# Allegro board BeagleBone_AI-64_Rev_B1_PCB_220602.brd (continued)
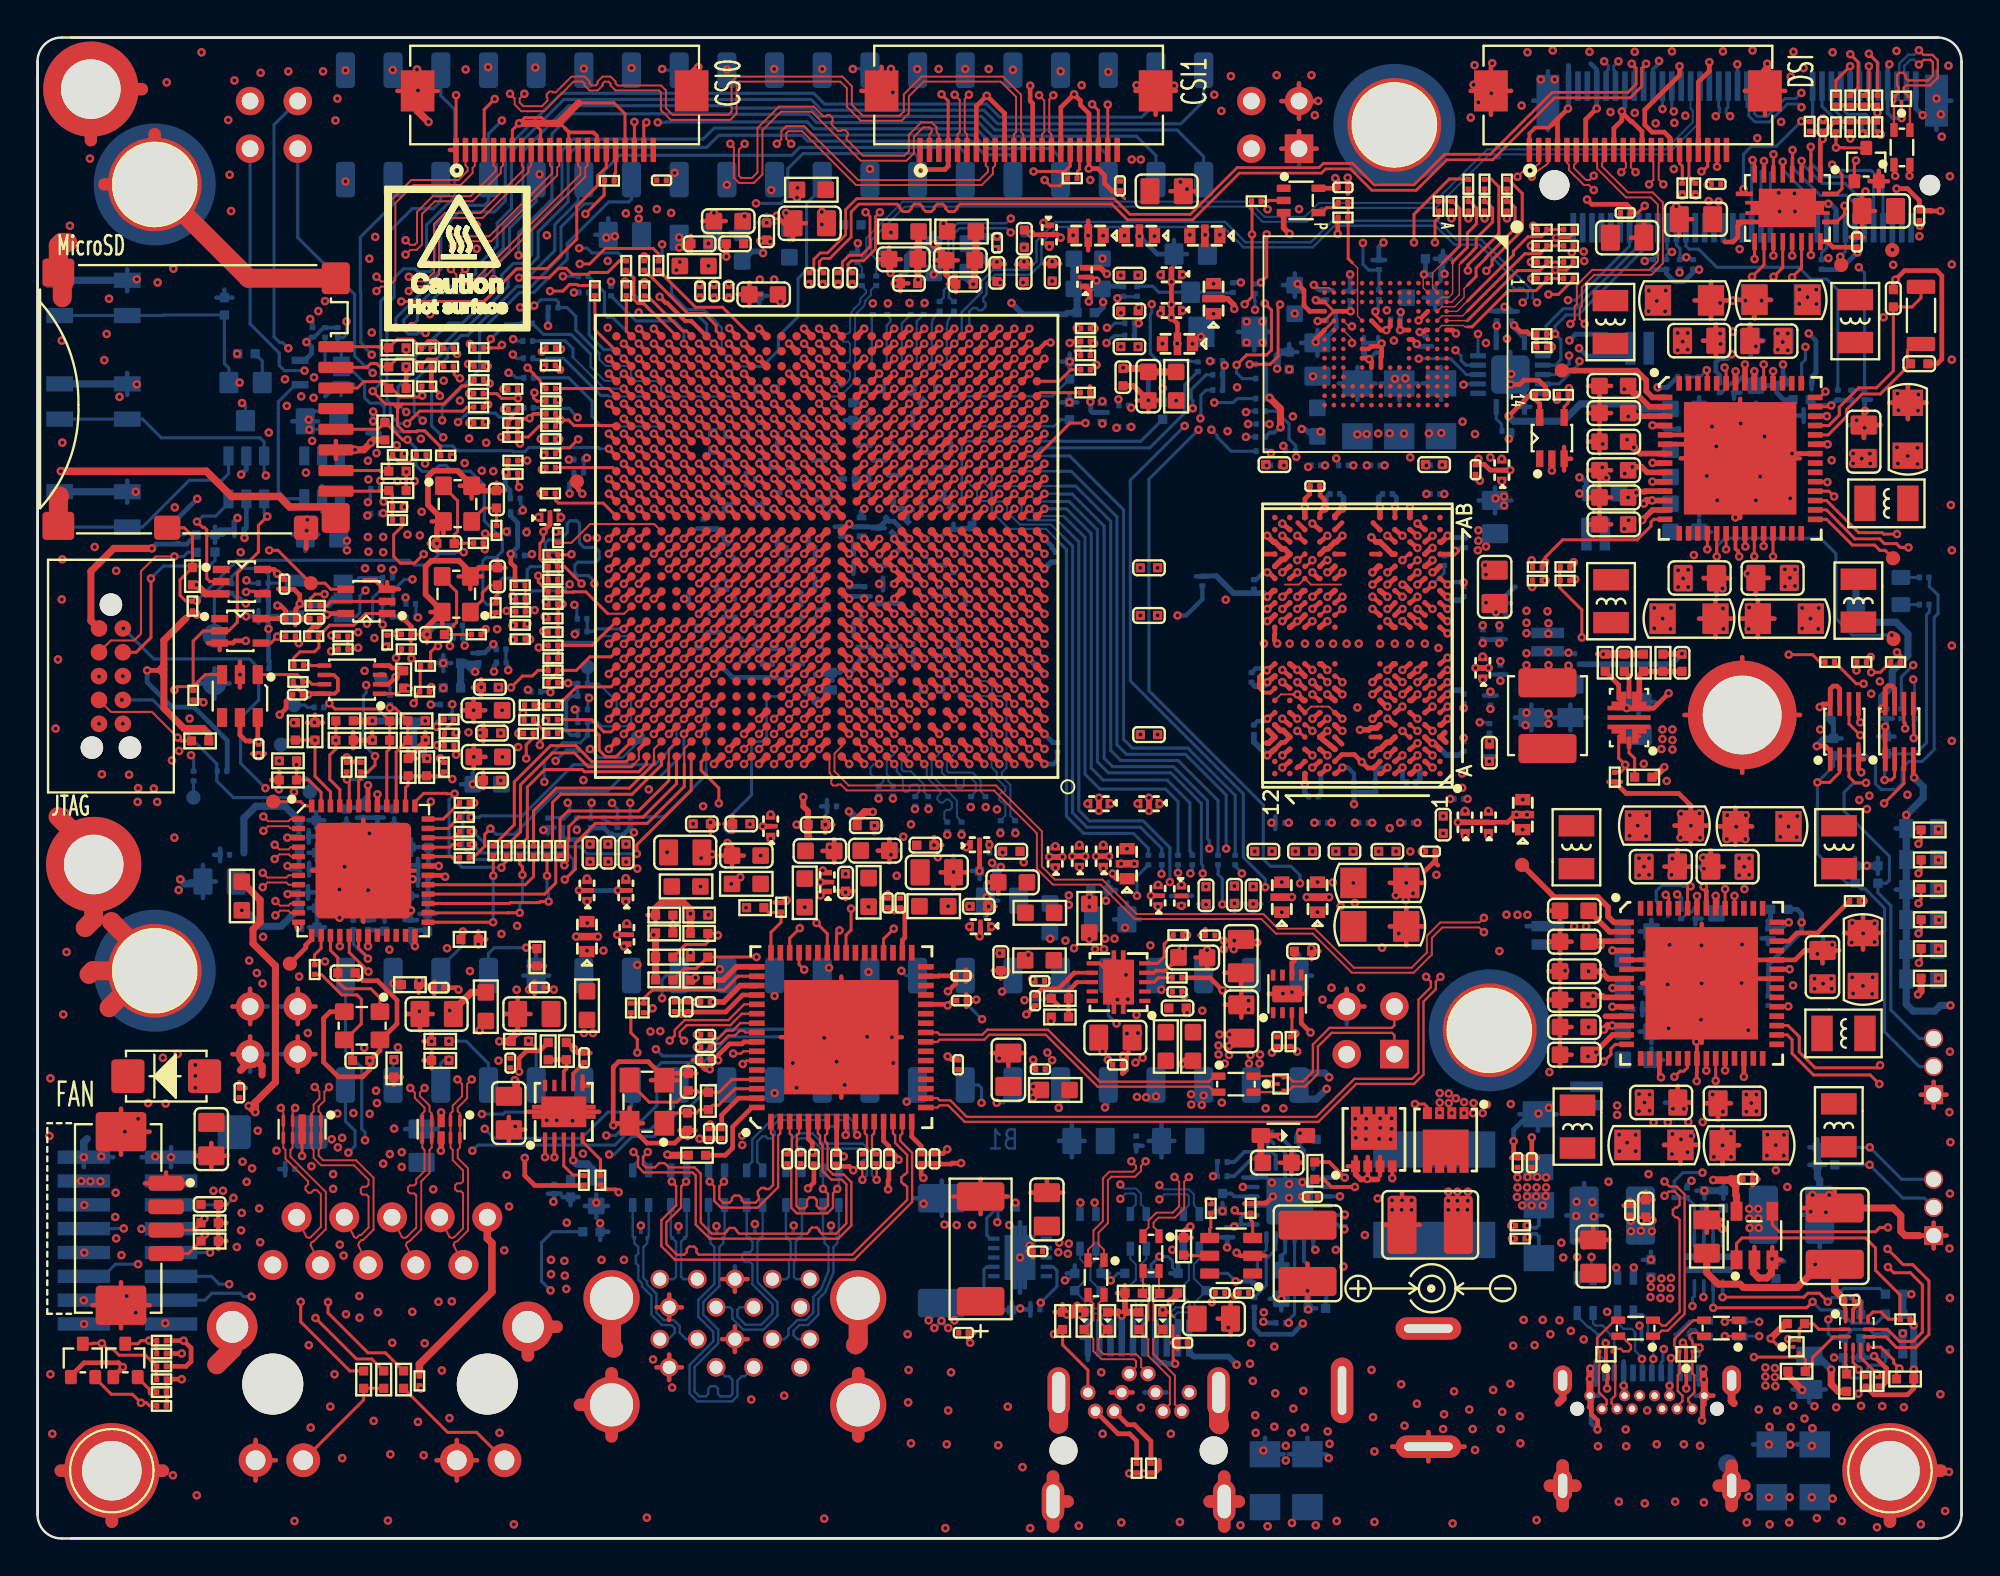
[diagram p0: board, top side]
## Routing (per net, layer and track width the routed paths; a pad name or vN(x,y) marks a point on that pad's centre or on a via; arc(x,y) is an arc through that point) (continued)
  L8-PWR/GND w0.127: v1(56.08,72.41) 56.67,71.82 60.55,71.82 61.06,71.31 64.03,71.31 64.82,72.1 70.94,72.1 71.68,71.37 74.05,71.37 v1(79.06,76.38)
  BOTTOM w0.165: v1(95.4,68.24) 95.35,68.19 95.04,68.19 ; 95.04,68.19 95.04,68.53 95.31,68.79 95.31,69.74 J4.20 ; 95.04,68.19 R5.2
AE22_PWR_ST: length 152.7
  TOP w0.229: v1(36.03,61.28) 36.43,60.88 U19.AE22
  L3-SIGNAL w0.102: v1(36.03,61.28) 35.61,61.71 29.82,61.71 29.28,61.18 27.51,61.18 26.73,60.4 25.17,60.4 24.67,60.9 23.63,60.9 23.15,61.39 22.84,61.39 22.75,61.29 19.16,61.29 18.34,60.47 15.06,60.47 15.02,60.51 14.99,60.51 v1(14.7,60.8)
  L5-SIGNAL w0.102: v1(88.69,19.5) 87.96,19.5 87.6,19.14 87.6,17.87 87.3,17.57 84.55,17.57 83.44,16.45 80.67,16.45 80.31,16.09 80.31,15.55 79.91,15.16 79.37,15.16 78.81,14.6 71.27,14.6 70.08,15.79 65.71,15.79 64.51,14.6 60.39,14.6 60.27,14.72 59.98,14.72 59.92,14.66 59.61,14.66 59.55,14.72 52.61,14.72 52.49,14.61 52.19,14.61 52.07,14.72 51.85,14.72 50.3,16.27 25.32,16.27 24.86,15.82 17.04,15.82 v1(16.3,15.08)
  L10-SIGNAL w0.102: v1(16.3,15.08) 17.35,16.12 17.35,17.87 17,18.22 17,21.87 16.43,22.44 16.43,24.18 15.25,25.37 15.25,29.52 14.45,30.32 14.45,35.69 12.94,37.2 12.94,37.62 13.27,37.95 13.27,45.7 14.58,47.01 14.58,51.14 13.87,51.85 13.87,59.88 14.43,60.44 14.43,60.52 v1(14.7,60.8)
  BOTTOM w0.165: R26.2 87.19,19.04 87.65,19.5 v1(88.69,19.5)
AE23_M.2_SDIO_WAKE#: length 57.5
  TOP w0.229: U19.AE23 35.63,60.88 v1(35.23,61.28)
  L8-PWR/GND w0.127: v1(75.96,61.5) 75.08,62.38 75.08,65.42 72.79,67.71 72.79,69.03 70.53,71.29 65.97,71.29 v1(65.53,70.84)
  L10-SIGNAL w0.102: v1(65.53,70.84) 65.14,70.84 65.12,70.83 64.64,70.83 64.39,71.09 61.54,71.09 60.13,72.5 57.77,72.5 56.59,73.68 48.46,73.68 44.85,70.07 44.85,69.13 43.64,67.91 40.72,67.91 39.98,67.17 39.98,65.4 39.43,64.85 38.08,64.85 37.27,64.04 37.27,63.61 36.98,63.32 36.76,63.32 36.4,62.96 36.4,62.74 36.18,62.52 35.96,62.52 35.6,62.16 35.6,61.65 v1(35.23,61.28)
  BOTTOM w0.165: v1(75.96,61.5) 76.16,61.5 76.2,61.54 U2.10
AE24_MCAN6_RX: length 64.7
  TOP w0.229: v1(34.43,61.28) 34.83,60.88 U19.AE24
  L10-SIGNAL w0.102: v1(33.04,75.48) 28.75,71.19 22.15,71.19 20.34,69.38 20.34,67.61 20.91,67.03 v1(20.91,65.26)
  L12-SIGNAL w0.102: v1(20.91,65.26) 20.91,65.29 20.96,65.34 20.96,65.35 21.16,65.55 23.36,65.55 23.82,66.01 25.95,66.01 26.06,66.12 28.13,66.12 28.34,65.9 30.33,65.9 30.91,66.49 32.26,66.49 32.93,65.81 33.09,65.81 34.8,64.11 34.8,61.65 v1(34.43,61.28)
  BOTTOM w0.165: P8.9 57.04,73.68 56.31,74.41 50.73,74.41 50.01,75.14 41.37,75.14 41,75.51 33.49,75.51 33.47,75.48 v1(33.04,75.48)
AE25_UART2_CTSN: length 11.3
  TOP w0.165: 23.79,62.48 23.97,62.48 v1(23.98,62.48)
  TOP w0.229: v1(33.63,61.28) 34.03,60.88 U19.AE25
  L12-SIGNAL w0.102: v1(33.63,61.28) 33.27,61.65 27.63,61.65 27.28,61.99 26.74,61.99 26.52,62.22 26.52,62.51 26.26,62.77 25.96,62.77 25.92,62.73 24.62,62.73 24.37,62.48 v1(23.98,62.48)
AE26_DP0_3V3_EN: length 140.6
  TOP w0.165: 64.63,17.32 64.63,16.97 64.73,16.86 U22.3 ; 64.63,17.32 R315.1 ; 64.63,17.32 63.95,17.32 v1(63.78,17.49)
  TOP w0.229: v1(32.83,61.28) 33.23,60.88 U19.AE26
  L3-SIGNAL w0.102: v1(32.03,65.35) 25.95,65.35 25.84,65.23 25.45,65.23 24.57,66.11 20.83,66.11 19.94,65.22 19.04,65.22 18.69,64.86 17.45,64.86 15.75,63.16 13.94,63.16 13.18,62.4 v1(13.18,61.79)
  L10-SIGNAL w0.102: v1(32.03,65.35) 31.6,64.91 31.6,64.41 31.89,64.12 32.11,64.12 32.4,63.83 32.4,61.72 v1(32.83,61.28) ; v1(63.78,17.49) 64.26,17.01 64.26,11.47 65.15,10.58 65.15,9.87 v1(64.59,9.31) ; v1(13.18,61.79) 13.18,61.4 12.88,61.09 12.88,51.86 13.16,51.58 13.16,47.06 11.1,45 11.1,40.6 11.17,40.52 11.17,40.49 11.17,40.49 11.17,34.62 12.04,33.75 12.04,32.97 13.27,31.74 13.27,29.77 13.61,29.43 14.43,29.43 14.79,29.07 14.79,25.26 14.25,24.72 14.25,23.33 14.96,22.62 14.96,20.32 15.38,19.9 15.38,16 15.71,15.66 v1(16.1,15.66)
  L12-SIGNAL w0.102: v1(16.1,15.66) 16.62,16.18 18.45,16.18 18.48,16.16 24.36,16.16 24.39,16.18 31.71,16.18 32.27,15.63 43.61,15.63 46.28,12.96 46.28,12.95 46.4,12.82 48.87,12.82 49.91,11.78 49.91,11.35 51.79,9.47 56.67,9.47 56.79,9.59 56.79,9.6 56.87,9.68 60.76,9.68 60.77,9.67 64.23,9.67 v1(64.59,9.31)
AE27_MCASP0_ACLKR: length 102.7
  TOP w0.229: v1(32.03,61.28) 32.43,60.88 U19.AE27
  L3-SIGNAL w0.102: v1(13.28,60.37) 13.28,61.36 13.56,61.64 13.56,62.45 14.04,62.93 15.84,62.93 16.78,63.87 18.92,63.87 19.45,64.41 19.45,64.66 19.78,64.99 20.03,64.99 20.87,65.83 24.53,65.83 25.35,65 25.93,65 26.02,65.09 29.82,65.09 v1(30.38,64.53)
  L5-SIGNAL w0.102: v1(52.58,28.69) 52.58,29.1 51.33,30.34 47.72,30.34 45.9,28.52 38.26,28.52 37.35,29.42 32.35,29.42 31.5,28.58 20.22,28.58 20.18,28.54 15.85,28.54 14.43,29.96 v1(13.94,29.96)
  L10-SIGNAL w0.102: v1(13.28,60.37) 13.28,51.81 13.38,51.71 13.38,46.78 12.27,45.66 12.27,41.44 11.4,40.58 11.4,40.4 11.4,40.39 11.4,34.74 12.27,33.87 12.27,33.06 13.94,31.39 v1(13.94,29.96) ; v1(30.38,64.53) 30.86,64.05 30.86,61.95 31.08,61.72 31.6,61.72 v1(32.03,61.28)
  BOTTOM w0.165: P9.12 54.5,29.56 53.63,28.69 v1(52.58,28.69)
AE28_MCASP0_AXR1: length 6.8
  TOP w0.229: v1(31.23,61.28) 31.63,60.88 U19.AE28
  BOTTOM w0.114: 28.52,62.96 30.2,61.28 v1(31.23,61.28)
  BOTTOM w0.165: 28.52,62.96 28.52,63.42 28.1,63.85 26.75,63.85 26.73,63.82 R132.1
AE29_UART4_CTSN: length 3.4
  TOP w0.165: R252.1 30.43,61.29 U19.AE29
AF21_MCAN8_TX: length 13.8
  TOP w0.229: U19.AF21 37.23,61.68 v1(36.83,62.08)
  BOTTOM w0.114: v1(36.83,62.08) 37.22,62.47 38,62.47
  BOTTOM w0.165: P8.21 41.8,71.99 40.97,71.16 40.97,67.61 40.51,67.15 40.51,65.12 39.47,64.08 39.47,63.34 38.61,62.47 38.26,62.47 38.26,62.47 38,62.47
AF22_PRG1_PWM2_A0: length 24.4
  TOP w0.229: U19.AF22 36.43,61.68 v1(36.03,62.08)
  L5-SIGNAL w0.102: v1(38.28,71.16) 37.64,71.16 36.19,69.71 35.43,69.71 34.82,69.1 34.82,67.49 34.67,67.33 34.67,65.35 35.6,64.42 35.6,62.52 v1(36.03,62.08)
  BOTTOM w0.165: P8.17 46.88,73.66 46.72,73.82 40.78,73.82 39.97,73.01 39.97,71.51 39.62,71.16 v1(38.28,71.16)
AF23_M.2_I2C_ALERT#: length 57.6
  TOP w0.229: v1(35.23,62.08) 35.63,61.68 U19.AF23
  L8-PWR/GND w0.127: v1(73.58,62.88) 74.24,63.54 74.24,65.75 72.49,67.5 72.49,68.97 70.61,70.86 v1(67.21,70.86)
  L10-SIGNAL w0.102: v1(67.21,70.86) 66.75,71.31 62.66,71.31 61.25,72.72 57.9,72.72 56.72,73.91 47.55,73.91 44.98,71.34 44.14,71.34 43.33,70.53 43.33,69.19 43.33,69.19 43.33,68.89 43.33,68.89 43.33,68.62 42.85,68.14 40.62,68.14 39.77,67.29 39.77,67.05 37.69,64.96 36.75,64.96 36.42,64.63 36.42,63.48 36.18,63.25 35.88,63.25 35.67,63.03 35.67,62.64 35.23,62.2 v1(35.23,62.08)
  BOTTOM w0.165: U2.11 76.12,62.04 75.28,62.88 v1(73.58,62.88)
AF24_MCAN4_TX: length 7.7
  TOP w0.165: R251.1 27.61,62.53 v1(27.84,62.3)
  TOP w0.229: v1(34.43,62.08) 34.83,61.68 U19.AF24
  L12-SIGNAL w0.102: v1(34.43,62.08) 34.07,62.45 27.98,62.45 v1(27.84,62.3)
AF26_PRG0_PWM1_B0: length 32
  TOP w0.229: U19.AF26 33.23,61.68 v1(32.83,62.08)
  L5-SIGNAL w0.102: v1(32.83,62.08) 32.4,62.52 31.88,62.52 31.67,62.74 31.67,62.98 31.41,63.25 29.83,63.25 29.33,63.75 29.33,64.94 29.89,65.5 29.89,68.25 30.34,68.7 31.15,68.7 32.59,70.13 32.59,71.01 32.92,71.34 33.52,71.34 34.07,71.9 34.57,71.9 36.55,73.88 42.72,73.88 44.34,75.5 44.34,77.87 43.89,78.32 v1(43.43,78.32)
  BOTTOM w0.165: v1(43.43,78.32) 43.46,78.35 43.81,78.35 43.9,78.26 P8.20
AF27_PRG0_PWM1_A0: length 33.6
  TOP w0.229: v1(32.03,62.08) 32.43,61.68 U19.AF27
  L5-SIGNAL w0.102: v1(33.75,70.65) 34.54,71.44 34.76,71.44 36.51,73.19 43.03,73.19 44.52,74.69 50.72,74.69 51.96,75.93 v1(51.96,78.28)
  L10-SIGNAL w0.102: v1(32.03,62.08) 31.67,62.45 31.67,63.87 31.34,64.2 31.34,65.42 30.92,65.84 30.92,67.2 31.56,67.83 31.56,68.61 33.32,70.38 33.48,70.38 v1(33.75,70.65)
  BOTTOM w0.165: P8.14 v1(51.96,78.28)
AF28_MCASP0_AXR0: length 7.3
  TOP w0.229: U19.AF28 31.63,61.68 v1(31.23,62.08)
  BOTTOM w0.114: v1(31.23,62.08) 30.85,61.7 30.21,61.7 29.46,62.45 29.46,63.14
  BOTTOM w0.165: 29.46,63.14 28.42,64.18 26.95,64.18 26.37,64.76 R131.1
AF29_UART2_RTSN: length 8.3
  TOP w0.165: R222.1 24.14,63.45 24.15,63.46 24.58,63.46 v1(24.74,63.62)
  TOP w0.229: v1(30.43,62.08) 30.83,61.68 U19.AF29
  L12-SIGNAL w0.102: v1(24.74,63.62) 24.86,63.49 25.98,63.49 26.67,62.81 27.2,62.81 27.4,62.6 27.4,62.2 27.67,61.93 27.99,61.93 28.14,62.08 v1(30.43,62.08)
AG20_SPI6_CS1: length 89.4
  TOP w0.229: U19.AG20 38.03,62.48 v1(37.63,62.88)
  L3-SIGNAL w0.102: v1(37.63,62.88) 37.26,62.88 37.19,62.95 37.19,63.03 36.91,63.32 36.68,63.32 36.4,63.61 36.4,63.83 36.13,64.1 25.68,64.1 25.48,64.3 21.24,64.3 19.78,62.84 19.48,62.84 19.34,62.7 14.15,62.7 13.79,62.35 13.79,61.51 13.66,61.38 13.66,59.07 14.22,58.51 v1(14.63,58.51)
  L5-SIGNAL w0.102: v1(39.27,23.74) 38.83,23.74 38.66,23.56 21.31,23.56 20.64,22.89 18.4,22.89 v1(18.08,23.21)
  L10-SIGNAL w0.102: v1(18.08,23.21) 17.57,23.71 17.57,24.01 15.95,25.64 15.95,30.78 15.42,31.31 15.42,42.94 16.03,43.55 16.03,50.28 15.14,51.17 15.14,58 v1(14.63,58.51)
AG21_AD28: length 28.6
  TOP w0.165: R253.2 26.59,60.62 26.42,60.8 26.42,61.03 v1(26.46,61.08)
  L3-SIGNAL w0.102: v1(29.1,78.35) 27.76,77.01 27.76,70.09 v1(27.13,69.46)
  L10-SIGNAL w0.102: v1(26.46,61.08) 25.93,61.08 25.73,61.28 25.73,64.49 25.11,65.11 25.11,67.19 25.55,67.63 25.98,67.63 27.13,68.78 v1(27.13,69.46)
  L12-SIGNAL w0.102: v1(33.27,68.98) 32.88,68.98 32.83,68.93 32.05,68.93 32.03,68.95 29.61,68.95 28.98,69.59 27.65,69.59 27.53,69.46 v1(27.13,69.46)
  BOTTOM w0.165: v1(33.27,68.98) 33.27,68.29 33.09,68.1 R101.2 ; P8.32 v1(29.1,78.35)
AG21_EQEP1_S: length 7.4
  TOP w0.229: v1(36.83,62.88) 37.23,62.48 U19.AG21
  BOTTOM w0.114: v1(36.83,62.88) 36.45,63.27 36.45,64.53 36.24,64.74
  BOTTOM w0.165: R101.1 33.09,67.56 33.11,67.56 33.78,66.89 33.78,66.31 34.59,65.5 35.48,65.5 36.24,64.74
AG22_UART0_TXD: length 104.7
  TOP w0.229: U19.AG22 36.43,62.48 v1(36.03,62.88)
  L3-SIGNAL w0.102: v1(36.03,62.88) 35.6,63.32 30.26,63.32 28.73,61.79 26.13,61.79 25.42,62.5 24.81,62.5 24.41,62.09 22.92,62.09 22.78,62.23 19.92,62.23 19.27,61.59 17.6,61.59 17.32,61.31 14.48,61.31 v1(14.04,60.88)
  L5-SIGNAL w0.102: v1(15.97,22.65) 16.58,22.04 18.51,22.04 18.69,22.22 23.95,22.22 24.46,22.72 44.73,22.72 46.33,24.32 49.99,24.32 v1(51.1,23.22)
  L10-SIGNAL w0.102: v1(15.97,22.65) 15.97,24.32 15.02,25.27 15.02,29.4 14.22,30.19 14.22,31.69 13.54,32.38 13.54,33.14 13.97,33.57 13.97,34.23 11.63,36.57 11.63,40.3 12.49,41.16 12.49,45.41 14.35,47.26 14.35,51.05 13.64,51.76 13.64,60.08 14.04,60.48 v1(14.04,60.88)
  BOTTOM w0.165: P9.13 51.96,23.73 51.65,23.42 51.65,23.4 51.47,23.22 v1(51.1,23.22)
AG23_M.2_RTSZ: length 73.2
  TOP w0.229: U19.AG23 35.63,62.48 v1(35.23,62.88)
  L5-SIGNAL w0.102: v1(87.83,68.29) 87.54,68.58 87.54,68.66 86.93,69.27 86.93,71.76 87.07,71.9 87.07,72.46 86.21,73.32 v1(86.21,75.43)
  L10-SIGNAL w0.102: v1(86.21,75.43) 85.62,74.85 78.58,74.85 78.1,74.37 78.1,73.87 75.49,71.26 75.05,71.26 74.19,70.4 70.13,70.4 69.87,70.65 67.96,70.65 67.08,71.54 62.76,71.54 61.31,72.99 58.01,72.99 56.87,74.13 47.42,74.13 44.88,71.59 44.07,71.59 43.08,70.6 43.08,68.75 42.7,68.37 40.53,68.37 39.63,67.47 38.33,67.47 37.82,66.96 37.82,65.78 37.23,65.19 36.14,65.19 35.67,64.72 35.67,63.32 v1(35.23,62.88)
  BOTTOM w0.165: 87.48,68.19 87.48,68.38 87.5,68.39 87.5,68.75 87.31,68.94 J4.52 87.31,69.87 ; 87.48,68.19 R24.1 ; 87.48,68.19 87.73,68.19 v1(87.83,68.29) 88.01,68.29 88.11,68.19 88.19,68.19 R19.1
AG24_MCAN5_TX: length 70
  TOP w0.229: U19.AG24 34.83,62.48 v1(34.43,62.88)
  L12-SIGNAL w0.102: v1(19.09,64.56) 19.36,64.84 19.36,64.85 19.51,64.99 20.14,64.99 20.27,64.86 21.25,64.86 21.63,65.25 26.65,65.25 27.07,65.68 30.63,65.68 30.94,65.98 32.36,65.98 34.06,64.28 34.06,63.26 v1(34.43,62.88)
  BOTTOM w0.165: P8.8 59.58,76.52 58.82,75.76 51.26,75.76 50.56,76.46 41.92,76.46 41.35,77.03 27.9,77.03 24.92,74.04 24.92,71.29 24.33,70.7 22.45,70.7 21.49,69.74 21.49,67.64 20.36,66.51 20.36,66.31 19.09,65.04 v1(19.09,64.56)
AG25_MCAN7_RX: length 70.2
  TOP w0.229: v1(33.63,62.88) 34.03,62.48 U19.AG25
  L12-SIGNAL w0.102: v1(20.67,64.25) 21.28,64.25 21.79,64.76 25.87,64.76 26.41,64.23 28.88,64.23 29.63,64.98 32.05,64.98 32.4,64.63 32.4,64.41 32.68,64.12 32.91,64.12 33.25,63.78 33.25,63.27 v1(33.63,62.88)
  BOTTOM w0.165: P8.6 62.12,76.62 60.91,75.4 51.14,75.4 50.42,76.13 41.78,76.13 41.21,76.7 28.04,76.7 25.25,73.91 25.25,70.88 24.48,70.12 24.48,68.89 23.34,67.75 23.34,67.43 22.65,66.74 21.28,66.74 19.51,64.97 19.51,64.45 19.76,64.2 20.19,64.2 20.25,64.25 v1(20.67,64.25)
AG26_PRG0_PRU1_GPO11: length 39.8
  TOP w0.229: U19.AG26 33.23,62.48 v1(32.83,62.88)
  L3-SIGNAL w0.102: v1(31.64,78.38) 31.64,78.56
  L10-SIGNAL w0.102: v1(17.8,64.28) 17.8,65.59 18.67,66.46 18.67,69.94 21.13,72.41 23.95,72.41 29.92,78.38 v1(31.64,78.38)
  L12-SIGNAL w0.102: v1(32.83,62.88) 32.4,63.32 32.4,63.83 32.18,64.05 29.84,64.05 29.82,64.02 29,64.02 28.97,64 26.31,64 25.78,64.53 21.89,64.53 21.49,64.13 21.48,64.13 21.24,63.89 20.34,63.89 20.1,64.13 18.82,64.13 18.67,64.28 v1(17.8,64.28)
  BOTTOM w0.165: P8.30 v1(31.64,78.38)
AG27_GPIO0_58: length 5.2
  TOP w0.165: R257.1 27.82,63.45 v1(27.89,63.39)
  TOP w0.229: v1(32.03,62.88) 32.43,62.48 U19.AG27
  L12-SIGNAL w0.102: v1(32.03,62.88) 31.6,63.32 28.35,63.32 28.28,63.39 v1(27.89,63.39)
AG28_GPIO0_57: length 5.2
  TOP w0.229: U19.AG28 31.63,62.48 v1(31.23,62.88)
  BOTTOM w0.165: v1(31.23,62.88) 30.75,63.36 30.17,63.36 29.39,64.15 29.39,66.41 R108.1
AG29_PRG0_PRU1_GPO16: length 33.2
  TOP w0.229: v1(30.43,62.88) 30.83,62.48 U19.AG29
  L12-SIGNAL w0.102: v1(30.43,62.88) 27.66,62.88 27.38,63.16 27.38,63.49 27.1,63.77 26.03,63.77 25.5,64.3 21.99,64.3 21.46,63.78 21.46,63.11 21.28,62.93 20.78,62.93 19.94,63.77 15.75,63.77 v1(14.22,62.25)
  BOTTOM w0.165: v1(14.22,62.25) 13.16,62.25 12.88,62.53 12.88,63.19 11.32,64.74 P8.45
AH21_MCAN6_TX: length 45.4
  TOP w0.229: v1(36.83,63.68) 37.23,63.28 U19.AH21
  L3-SIGNAL w0.102: v1(36.83,63.68) 36.19,64.33 34.19,64.33 33.63,64.89 33.63,68.81 33.64,68.83 33.64,70.25 33.39,70.5 33.39,72.76 35.67,75.05 41.58,75.05 42.14,75.61 63.13,75.61 P8.3
AH22_SPI6_D1: length 7.8
  TOP w0.229: v1(36.03,63.68) 36.43,63.28 U19.AH22
  BOTTOM w0.165: R103.1 31.34,67.56 31.36,67.56 31.75,67.17 31.75,66.34 32.89,65.19 35.18,65.19 35.65,64.72 35.65,64.07 v1(36.03,63.68)
AH22_Y2: length 107.2
  L5-SIGNAL w0.102: v1(64.16,35.45) 63.35,35.45 62.76,34.87 62.76,34.43 62.58,34.26 62.15,34.26 61.11,33.21 57.33,33.21 56.95,32.83 52.76,32.83 51.77,31.84 50.98,31.84 50.3,31.16 46.92,31.16 v1(46.02,30.26) 45.51,29.75 39.28,29.75 38.43,30.6 36.62,30.6 36.5,30.73 34.67,30.73 34.46,30.94 31.8,30.94 31.44,30.57 23.23,30.57 21.83,31.97 19.33,31.97 v1(18.74,31.39)
  L10-SIGNAL w0.102: v1(18.74,31.39) 18.74,31.78 19.07,32.11 19.07,43.48 19.2,43.6 19.2,45 19.15,45.05 19.15,45.32 18.71,45.76 18.71,46.07 18.73,46.09 18.73,47.11 18.95,47.32 18.95,47.77 18.76,47.96 18.76,48.86 18.74,48.87 18.74,50.03 19.31,50.6 19.31,54.54 19.02,54.83 19.02,55.62 18.64,56 16.71,56 16.23,56.48 16.23,63.75 17.12,64.63 17.12,67.66 v1(17.68,68.22)
  L12-SIGNAL w0.102: v1(17.68,68.22) 18.11,68.22 18.41,68.52 18.41,68.67 19.35,69.6 20.51,69.6 22,68.11 23.65,68.11 24.31,68.77 v1(28.85,68.77)
  BOTTOM w0.165: v1(64.16,35.45) 64.16,35.48 63.8,35.83 R57.2 ; v1(28.85,68.77) 29.28,68.77 29.53,68.52 30.92,68.52 31.32,68.11 31.34,68.11 R103.2 ; v1(46.02,30.26) 46.27,30 P9.18
AH23_UART2_RXD: length 25
  TOP w0.229: U19.AH23 35.63,63.28 v1(35.23,63.68)
  L5-SIGNAL w0.102: v1(41.8,78.32) 39.98,78.32 35.33,73.68 33.7,73.68 31.34,71.31 v1(31.34,70.63)
  L10-SIGNAL w0.102: v1(31.34,70.63) 31.34,69.06 v1(30.38,68.1)
  L12-SIGNAL w0.102: v1(35.23,63.68) 35.23,64.12 34.07,65.28 34.07,66.04 32.54,67.58 32.11,67.58 31.6,68.1 v1(30.38,68.1)
  BOTTOM w0.165: P8.22 v1(41.8,78.32)
AH24_AA2: length 65.1
  TOP w0.165: v1(65.17,66.95) 65.48,67.25 65.48,69.05 65.48,69.05 v1(65.48,69.51)
  L5-SIGNAL w0.102: v1(63.07,76.09) 63.07,71.92 v1(65.48,69.51)
  L10-SIGNAL w0.102: v1(26.74,72.71) 26.74,74.26 29.56,77.08 34.59,77.08 36.19,78.68 37.72,78.68 39.46,76.94 40.38,76.01 62.08,76.01 62.15,76.09 v1(63.07,76.09)
  L12-SIGNAL w0.102: v1(24.31,67.12) 24.76,67.57 25.97,67.57 26.04,67.64 28.24,67.64 28.88,67 v1(30.55,67)
  BOTTOM w0.165: R55.2 64.84,66.89 64.97,66.89 65.05,66.97 65.05,66.96 65.16,66.96 v1(65.17,66.95) ; v1(26.74,72.71) 26.56,72.53 P8.33 26.56,71.26 25.14,69.84 25.14,68.62 24.31,67.78 v1(24.31,67.12) ; R105.2 v1(30.55,67)
AH24_EQEP1_B: length 5.9
  TOP w0.229: U19.AH24 34.83,63.28 v1(34.43,63.68)
  BOTTOM w0.165: v1(34.43,63.68) 34.43,64.39 33.92,64.9 31.88,64.9 30.55,66.23 R105.1
AH25_MCAN7_TX: length 68.2
  TOP w0.229: U19.AH25 34.03,63.28 v1(33.63,63.68)
  L12-SIGNAL w0.102: v1(33.63,63.68) 33.63,64.32 32.23,65.73 31.14,65.73 30.62,65.21 28.84,65.21 28.65,65.02 21.72,65.02 21.33,64.62 v1(19.94,64.62)
  BOTTOM w0.165: P8.5 62.12,73.66 60.7,75.07 51.01,75.07 50.28,75.8 41.65,75.8 41.2,76.24 37.06,76.24 36.93,76.37 28.29,76.37 25.86,73.93 25.86,71.02 24.81,69.98 24.81,68.75 23.82,67.76 23.82,67.4 22.81,66.39 21.39,66.39 20.24,65.23 20.24,64.92 v1(19.94,64.62)
AH26_PRG1_PRU1_GPO14: length 11.2
  TOP w0.229: U19.AH26 33.23,63.28 v1(32.83,63.68)
  L5-SIGNAL w0.102: v1(36.72,72.15) 34.51,69.94 33.98,69.94 33.63,69.59 33.63,69.14 33.64,69.13 33.64,68.83 33.63,68.81 33.63,64.48 v1(32.83,63.68)
  BOTTOM w0.165: P8.25 v1(36.72,72.15)
AH27_GPIO0_55: length 5.4
  TOP w0.229: v1(32.03,63.68) 32.43,63.28 U19.AH27
  BOTTOM w0.165: v1(32.03,63.68) 30.63,65.09 30.36,65.09 30.2,65.26 30.2,66.42 29.34,67.28 R109.1
AH28_PRG0_PWM0_A2: length 33.6
  TOP w0.229: v1(31.23,63.68) 31.63,63.28 U19.AH28
  L5-SIGNAL w0.102: v1(31.23,63.68) 31.66,64.11 31.66,68.19 33.64,70.17 34.14,70.17 36.93,72.97 43.13,72.97 44.63,74.46 53.01,74.46 54.5,75.95 v1(54.5,78.2)
  BOTTOM w0.165: P8.12 v1(54.5,78.2)
AH29_GPIO0_56: length 3.4
  TOP w0.165: U19.AH29 29.69,64.43 R278.1
AJ20_MCAN4_RX: length 6.4
  TOP w0.165: R284.1 33.08,67.59 35.04,65.62 36.49,65.62 U19.AJ20
AJ21_PRG1_PRU0_GPO17: length 52.6
  TOP w0.229: v1(36.85,64.51) 37.24,64.12 U19.AJ21
  L8-PWR/GND w0.127: v1(36.85,64.51) 37.67,65.32 39.75,65.32 40.43,66.01 40.43,67 40.99,67.56 44.81,67.56 48.09,70.83 59.89,70.83 60.32,70.4 70.03,70.4 71.02,69.41 71.02,65.8 70.22,65 69.86,65 69.63,64.77 69.63,60.84 67.03,58.23 v1(66.37,58.23)
  BOTTOM w0.165: v1(66.37,58.23) 66.37,58.08 66.47,57.98 R46.1
AJ22_SPI6_D0: length 5.7
  TOP w0.165: R282.1 32.32,67.59 32.61,67.3 32.64,67.3 34.64,65.29 35.51,65.29 36.15,64.65 36.15,64.37 U19.AJ22
AJ22_U28: length 100.6
  TOP w0.165: 32.32,68.13 v1(32.32,68.33)
  L5-SIGNAL w0.102: v1(30.3,21.48) 27.61,21.48 27.42,21.29 24.47,21.29 24.46,21.28 19.04,21.28 18.4,20.64 18.4,20.4 18.41,20.39 v1(18.41,19.98)
  L10-SIGNAL w0.102: v1(17.99,69.38) 16.89,68.28 16.89,64.76 15.95,63.82 15.95,55.99 17.14,54.8 17.3,54.8 v1(17.57,54.53) 17.27,54.22 16.11,54.22 15.7,53.81 15.7,51.91 16.48,51.12 16.48,42.8 16.49,42.79 16.49,42.22 16.43,42.16 16.43,42.12 15.95,41.63 15.95,40.17 16.76,39.36 16.76,25.47 17.76,24.48 18.24,24.48 18.51,24.2 18.51,20.76 18.4,20.64 18.4,20.39 18.41,20.37 v1(18.41,19.98)
  L12-SIGNAL w0.102: v1(17.99,69.38) 18.8,69.38 19.36,69.94 20.5,69.94 22.1,68.34 23.54,68.34 24.28,69.08 27.71,69.08 27.99,69.36 28.88,69.36 29.51,68.72 31.93,68.72 v1(32.32,68.33)
  BOTTOM w0.165: v1(30.3,21.48) 30.8,21.48 31.41,22.09 31.44,22.09 31.62,22.27 32.18,22.27 32.99,23.08 32.99,25.11 33.25,25.37 35.46,25.37 36.83,26.74 40.76,26.74 41.8,25.7 P9.21 ; v1(17.57,54.53) 17.63,54.53 17.73,54.63
AJ23_PRG1_PWM3_A2: length 25.6
  TOP w0.229: U19.AJ23 34.83,64.89 34.51,64.89 33.54,65.85 33.47,65.85 v1(33.14,66.18)
  L3-SIGNAL w0.102: v1(32.99,70.86) 32.99,69.22 32.85,69.08 32.85,66.47 v1(33.14,66.18)
  L5-SIGNAL w0.102: v1(32.99,70.86) 33.36,70.86 34.17,71.67 34.66,71.67 36.65,73.65 42.84,73.65 46.86,77.68 v1(46.86,78.32)
  BOTTOM w0.165: P8.18 46.88,78.3 v1(46.86,78.32)
AJ24_MCAN4_RX: length 3.4
  TOP w0.165: U19.AJ24 34.55,64.37 34.35,64.37 32.49,66.23 R283.1
AJ25_AE29: length 20.1
  TOP w0.165: R252.2 27.08,61.29 27.06,61.31 ; v1(26.11,62.4) 26.41,62.09 26.41,62.07 26.79,61.7 26.79,61.59 27.06,61.31 ; v1(25.65,67.2) 27.25,67.2 27.75,67.7 28.17,67.7 28.48,67.38 29.33,67.38 29.42,67.48 30.37,67.48 30.99,68.1 R280.2 ; 27.06,61.31 27.06,61.29
  L10-SIGNAL w0.102: v1(25.65,67.2) 25.33,66.88 25.33,65.21 26.11,64.43 v1(26.11,62.4)
  BOTTOM w0.165: v1(25.65,67.2) 26.11,67.2 27.56,68.65 27.56,70.04 28.79,71.28 28.79,71.68 29.1,71.99 P8.31
AJ25_EQEP1_I: length 4.8
  TOP w0.165: U19.AJ25 32.29,65.83 31.98,65.83 31.77,66.03 31.77,67.18 31.38,67.57 31.36,67.57 R280.1
AJ26_M.2_W_DISABLE2#: length 73.4
  TOP w0.229: U19.AJ26 33.23,64.08 v1(32.83,64.48)
  L5-SIGNAL w0.102: v1(85.09,75.99) 85.57,75.51 85.57,72.64 85.39,72.46 85.39,72 85.62,71.77 86.15,71.77 86.7,71.23 86.7,68.94 v1(87.07,68.57)
  L10-SIGNAL w0.102: v1(32.83,64.48) 34.82,66.47 34.82,67.58 36.13,68.89 37.17,68.89 37.81,69.52 39.84,69.52 40.26,69.1 41.81,69.1 42.39,69.69 42.39,71.04 43.66,72.31 44.55,72.31 47.09,74.85 60.5,74.85 63.12,72.23 67.36,72.23 68.25,71.34 70.18,71.34 70.43,71.09 73.87,71.09 74.79,72 75.21,72 77.32,74.1 77.32,74.55 78.37,75.61 84.71,75.61 v1(85.09,75.99)
  BOTTOM w0.165: 86.98,68.57 86.81,68.74 J4.54 86.81,69.87 ; 86.98,68.57 v1(87.07,68.57) ; 86.98,68.57 86.94,68.57 86.77,68.41 R27.2
AJ27_M.2_W_DISABLE1#: length 74.3
  TOP w0.229: U19.AJ27 v1(32.04,64.48)
  L5-SIGNAL w0.102: v1(83.79,76.03) 83.79,68.85 84.55,68.09 v1(85.62,68.09)
  L10-SIGNAL w0.102: v1(32.04,64.48) 34.47,66.91 34.47,67.58 34.75,67.86 34.75,68.95 35.55,69.75 39.96,69.75 40.36,69.36 41.68,69.36 42.16,69.84 42.16,71.19 43.51,72.53 44.42,72.53 46.99,75.1 60.57,75.1 63.21,72.46 67.45,72.46 68.34,71.57 70.28,71.57 70.53,71.31 73.78,71.31 74.72,72.25 75.14,72.25 77.09,74.2 77.09,74.65 78.27,75.84 83.2,75.84 83.4,76.03 v1(83.79,76.03)
  BOTTOM w0.165: v1(85.62,68.09) 85.72,68.19 86.06,68.19 ; 86.06,68.19 86.31,68.44 86.31,69.69 J4.56 ; 86.06,68.19 R28.2
AJ28_GPIO0_54: length 2.3
  TOP w0.165: U19.AJ28 31.37,64.35 R281.1
B_USB1_DN1_D_N: length 16.2
  BOTTOM w0.13: J8.2 37.67,8.64 37.52,8.64 37.29,8.41 37.29,7.59 37,7.31 35.16,7.31 34.73,7.73 34.73,9.25 36,10.51 36,11.02 35.2,11.81 35.2,12.72 36.06,13.57 36.06,15.53 35.85,15.74 D16.3 35.75,16.12 L9.2
B_USB1_DN1_D_P: length 16.1
  BOTTOM w0.13: L9.3 36.6,16.09 D16.2 36.53,15.74 36.32,15.53 36.32,13.46 35.47,12.6 35.47,11.93 36.26,11.13 36.26,10.4 35,9.14 35,7.84 35.27,7.57 35.6,7.57 35.73,7.7 35.73,7.99 35.86,8.12 36.12,8.12 36.25,7.99 36.25,7.7 36.38,7.57 36.89,7.57 37.02,7.7 37.02,8.46 36.84,8.64 36.63,8.64 J8.3
B_USB1_SSRX_DN1_N: length 9.1
  BOTTOM w0.13: J8.5 33.6,10.62 33.95,10.96 33.95,11.21 33.78,11.38 33.26,11.38 32.7,11.93 32.7,12.93 32.2,13.43 32.2,13.59 32.01,13.78 32.01,14.54 31.87,14.67 31.87,15.06 32.01,15.19 32.01,15.53 31.8,15.74 D18.3 31.71,16.11 L11.2
B_USB1_SSRX_DN1_P: length 9.1
  BOTTOM w0.13: L11.3 32.56,16.1 D18.2 32.48,15.74 32.27,15.53 32.27,13.89 32.47,13.7 32.47,13.54 32.97,13.04 32.97,12.04 33.37,11.64 33.89,11.64 34.21,11.32 34.21,10.96 34.55,10.62 J8.6
B_USB1_SSTX_DN1_N: length 9.1
  BOTTOM w0.13: L6.2 41.84,16.11 D13.3 41.93,15.74 42.14,15.53 42.14,14.25 41.73,13.27 41.33,12.87 41.33,12.04 40.93,11.64 40.48,11.64 40,11.17 40,10.84 39.79,10.62 J8.8
B_USB1_SSTX_DN1_P: length 9.1
  BOTTOM w0.13: J8.9 40.48,10.62 40.27,10.84 40.27,11.06 40.59,11.38 41.04,11.38 41.59,11.93 41.59,12.76 41.96,13.12 42.4,14.19 42.4,15.53 42.61,15.74 D13.2 42.69,16.11 L6.3
BOARDID_EEPROM_WP: length 28.7
  TOP w0.229: U19.G24 34.83,46.48 v1(34.43,46.08)
  L5-SIGNAL w0.102: v1(11.1,49.84) 12.37,49.84 12.72,50.18 14.12,50.18 14.65,49.65 15.8,49.65 16.15,49.29 18.69,49.29 19.28,48.71 20.67,48.71 20.8,48.84 24.12,48.84 v1(24.48,48.47)
  L10-SIGNAL w0.102: v1(34.43,46.08) 34.04,46.48 33.47,46.48 33.23,46.73 33.23,47.8 32.93,48.1 32.66,48.1 32.43,48.33 32.43,48.77 31.9,49.29 27.96,49.29 27.43,48.76 26.72,48.76 26.34,49.14 25.21,49.14 25.14,49.08 25.09,49.08 v1(24.48,48.47)
  BOTTOM w0.165: R377.2 10.34,50.38 10.55,50.17 10.77,50.17 v1(11.1,49.84)
C23_WKUP_GPIO0_35: length 54.4
  TOP w0.229: v1(35.23,42.88) 35.24,42.88 U19.C23
  L10-SIGNAL w0.102: v1(27.35,14.09) 27.66,14.39 28.22,14.39 29.03,15.21 29.03,19.07 29.69,19.73 29.69,25.65 31.04,27 31.04,30.47 32.03,31.46 32.03,33.45 32.69,34.11 32.69,37.23 35.15,39.7 35.15,42.54 35.23,42.62 v1(35.23,42.88)
  L12-SIGNAL w0.102: v1(11.4,12.89) 11.95,12.89 12.18,13.12 16.08,13.12 16.66,12.54 17.57,12.54 18.16,13.12 23.83,13.12 24.8,14.09 v1(27.35,14.09)
  BOTTOM w0.165: J10.4 8.92,12.7 9.29,13.07 10.8,13.07 10.98,12.89 v1(11.4,12.89)
C29_WKUP_GPIO0_59: length 3.5
  TOP w0.165: R260.1 29.53,43.64 30.17,42.99 30.55,42.99 U19.C29
C_DP0_AUX_N: length 10.1
  TOP w0.119: U19.G6 v1(49.64,46.08)
  BOTTOM w0.106: C119.1 52.07,38.28 51.82,38.53 51.82,40.16 51.37,40.62 51.37,40.82 51.62,41.08 51.62,44.64 51.36,44.9 51.01,44.9 50.86,45.06 50.86,45.41 50.56,45.7 50.02,45.7 v1(49.64,46.08)
C_DP0_AUX_P: length 10
  TOP w0.119: U19.F7 48.44,45.68 v1(48.84,45.28)
  BOTTOM w0.106: C121.1 51.31,38.28 51.56,38.53 51.56,39.11 51.41,39.26 51.34,39.26 51.23,39.37 51.23,39.64 51.34,39.74 51.44,39.74 51.56,39.86 51.56,40.05 51.1,40.51 51.1,40.84 50.82,41.11 50.82,44.71 50.64,44.9 49.22,44.9 v1(48.84,45.28)
C_DP0_TX0_N: length 2.9
  TOP w0.119: U19.B11 45.24,42.48 v1(45.64,42.08)
  BOTTOM w0.106: C174.1 45.57,40.11 45.42,40.26 45.42,40.27 45.32,40.37 45.32,40.64 45.24,40.73 45.24,41.42 45.64,41.82 v1(45.64,42.08)
C_DP0_TX0_P: length 2.8
  TOP w0.119: v1(44.84,41.28) 44.44,41.68 U19.A12
  BOTTOM w0.106: C185.1 44.81,40.1 45.06,40.35 45.06,40.53 44.98,40.61 44.52,40.61 44.37,40.76 44.37,41.09 44.56,41.28 v1(44.84,41.28) 44.84,41.28
C_DP0_TX1_N: length 4.1
  TOP w0.119: U19.B10 v1(46.44,42.08)
  BOTTOM w0.106: v1(46.44,42.08) 46.44,41.82 46.04,41.42 46.04,40.99 46.14,40.89 46.53,40.89 47.24,40.17 47.24,39.77 47.45,39.57 C151.1
C_DP0_TX1_P: length 4
  TOP w0.119: v1(45.64,41.28) 45.24,41.68 U19.A11
  BOTTOM w0.106: v1(45.64,41.28) 45.64,41.28 45.77,41.15 45.77,40.88 46.1,40.55 46.1,39.9 46.21,39.79 46.36,39.79 46.46,39.9 46.46,40.07 46.57,40.18 46.86,40.18 46.98,40.06 46.98,39.81 46.76,39.59 C164.1
C_DP0_TX2_N: length 5.3
  TOP w0.119: U19.B8 47.64,42.48 v1(48.04,42.08)
  BOTTOM w0.106: v1(48.04,42.08) 48.04,41.82 47.64,41.42 47.64,40.67 48.98,39.33 48.98,38.46 49.23,38.21 C129.1
C_DP0_TX2_P: length 5.2
  TOP w0.119: v1(47.24,41.28) 47.24,41.28 U19.A9
  BOTTOM w0.106: C135.1 48.46,38.21 48.31,38.36 48.31,38.73 48.41,38.83 48.59,38.83 48.71,38.95 48.71,39.22 48.55,39.39 48.4,39.39 48.24,39.23 48.09,39.23 47.94,39.38 47.94,39.53 48.1,39.69 48.1,39.84 47.37,40.56 47.37,41.15 47.24,41.28 v1(47.24,41.28)
C_DP0_TX3_N: length 4.9
  TOP w0.119: v1(48.84,42.08) 48.44,42.48 U19.B7
  BOTTOM w0.106: C125.1 50.5,39.57 50.25,39.81 50.25,40.39 49.81,40.83 48.54,40.83 48.44,40.93 48.44,41.42 48.84,41.82 v1(48.84,42.08)
C_DP0_TX3_P: length 4.8
  TOP w0.119: U19.A8 v1(48.04,41.28)
  BOTTOM w0.106: v1(48.04,41.28) 48.04,41.28 48.17,41.15 48.17,40.82 48.43,40.56 48.82,40.56 48.92,40.46 48.92,40.1 49.03,40 49.24,40 49.35,40.1 49.35,40.46 49.45,40.56 49.7,40.56 49.98,40.28 49.98,39.81 49.73,39.57 C126.1
C_PCIE1_TX0_N: length 6.9
  TOP w0.152: v1(43.4,66.79) 43.4,66.93
  TOP w0.188: U19.AF15 42.03,61.68 v1(41.63,62.08)
  L12-SIGNAL w0.136: v1(41.63,62.08) 41.85,62.3 arc(42.08,62.45) 42.35,62.51 42.57,62.51 arc(42.65,62.51) 42.73,62.53 43.64,63.44 43.64,65.82 43.17,66.29 43.17,66.56 v1(43.4,66.79)
C_PCIE1_TX0_P: length 5.5
  TOP w0.152: v1(42.64,66.79) 42.64,66.93
  TOP w0.188: U19.AG14 v1(42.44,62.88)
  L12-SIGNAL w0.136: v1(42.64,66.79) 42.88,66.56 42.88,66.17 43.35,65.7 43.35,63.57 42.58,62.8 arc(42.52,62.81) 42.48,62.84 v1(42.43,62.88)
C_PCIE1_TX1_N: length 7.2
  TOP w0.188: U19.AF16 v1(40.83,62.08)
  L12-SIGNAL w0.136: v1(41.07,66.82) 41.37,66.51 41.37,66.49 42.82,65.05 42.82,64.37 arc(42.74,64.18) 42.56,64.11 42.52,64.11 arc(42.33,64.07) 42.18,63.96 42.17,63.96 arc(42.07,63.81) 42.04,63.64 42.04,63.62 arc(42.03,63.55) 42.02,63.49 arc(41.88,63.33) 41.68,63.26 41.48,63.26 arc(41.31,63.19) 41.23,63.02 41.23,62.66 arc(41.2,62.5) 41.11,62.36 v1(40.83,62.08)
